# KiCad board tps43-ek_Assemble.kicad_pcb
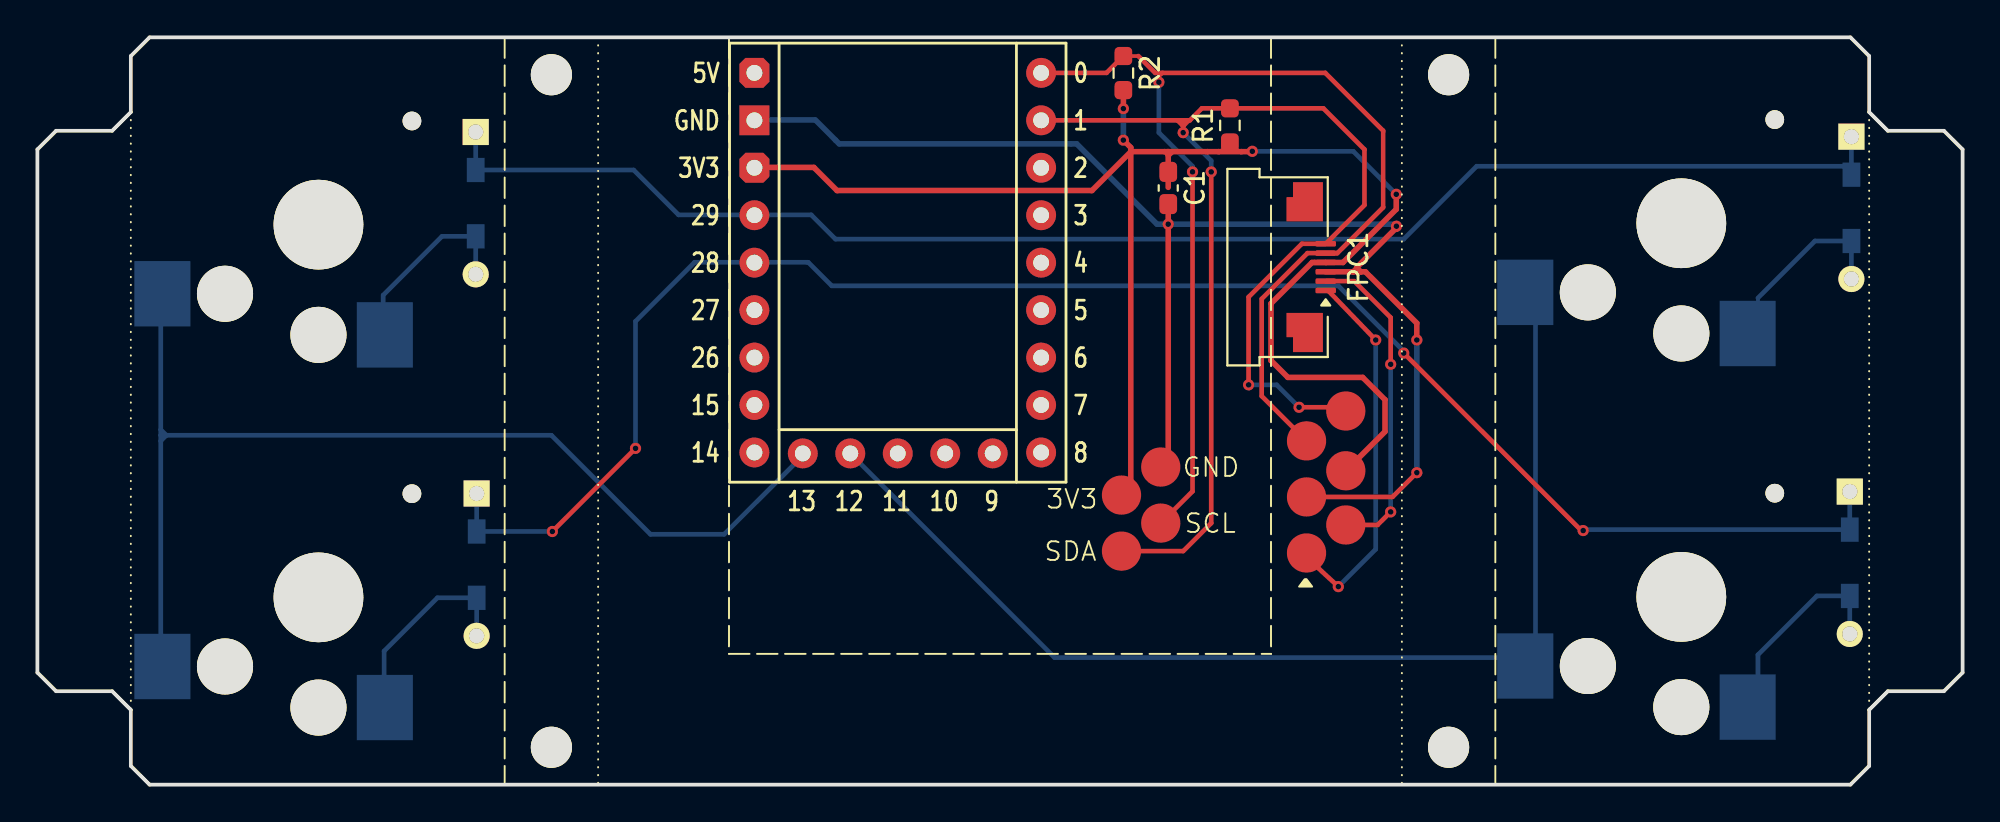
[diagram p0: board, top side]
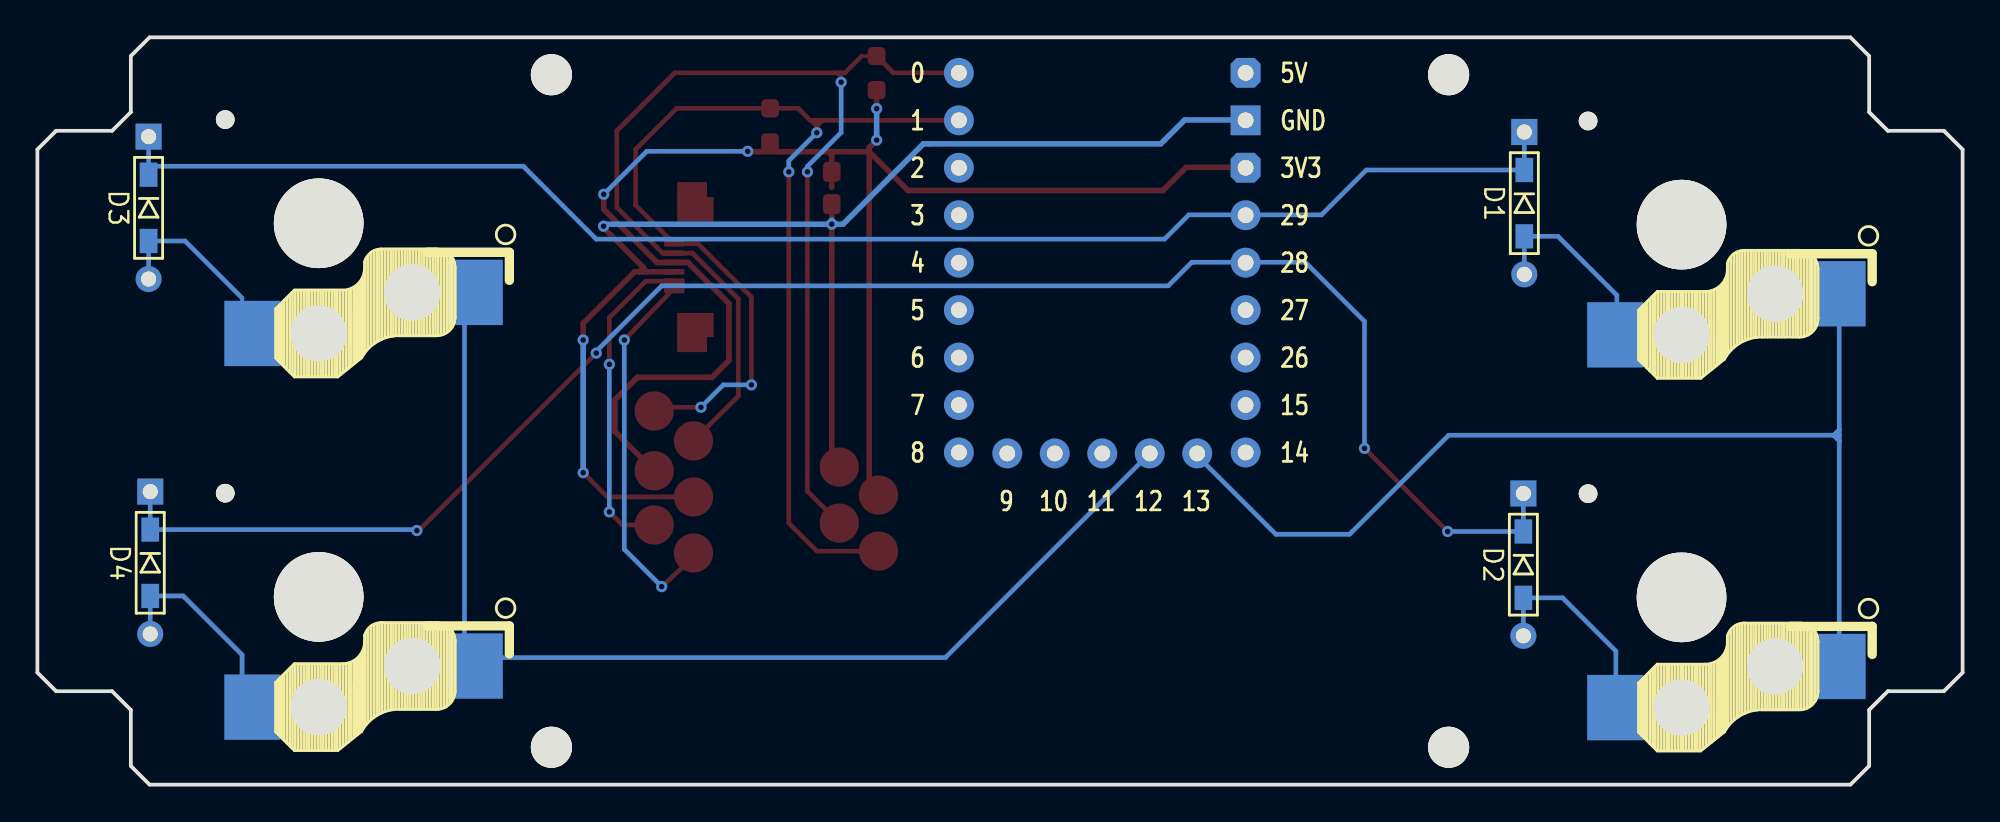
[diagram p1: board, bottom side, seen from below]

Outline 103 x 40 mm; copper layers: Top, Bottom. Coordinates in mm from the lower left corner of the outline.
Outline path: 0,34 0,6 1,5 4,5 5,4 5,1 6,0 97,0 98,1 98,4 99,5 102,5 103,6 103,34 102,35 99,35 98,36 98,39 97,40 6,40 5,39 5,36 4,35 1,35 0,34

## Placement (name value [footprint] x y rotation side)
C1  10u  [C_0603_1608Metric_Pad1.08x0.95mm_HandSolder]  60.5 31.94 270 top
D1  D  [Diode_TH_SMD]  23.45 31.12 270 top
D2  D  [Diode_TH_SMD]  23.5 11.77 270 top
D3  D  [Diode_TH_SMD]  97.05 30.88 270 top
D4  D  [Diode_TH_SMD]  96.96 11.88 270 top
FPC1  ~  [FPC-6p-P0.5mm]  66.03 27.7 270 top
R1  1k  [R_0603_1608Metric_Pad0.98x0.95mm_HandSolder]  63.8 35.29 90 top
R2  1k  [R_0603_1608Metric_Pad0.98x0.95mm_HandSolder]  58.1 38.09 270 top
Ref**  -  [M2_ScrewHole]  27.5 2 0 top
Ref**#2  -  [M2_ScrewHole]  75.5 2 0 top
Ref**#3  -  [M2_ScrewHole]  27.5 38 0 top
Ref**#4  -  [M2_ScrewHole]  75.5 38 0 top
SW1  SW_PUSH  [Choc_v2_Hotswap_1u]  15.04 29.98 0 top
SW2  SW_PUSH  [Choc_v2_Hotswap_1u]  15.04 10.02 0 top
SW3  SW_PUSH  [Choc_v2_Hotswap_1u]  87.95 30.05 0 top
SW4  SW_PUSH  [Choc_v2_Hotswap_1u]  87.95 10.05 0 top
U1  -  [RP2040-Zero]  46.03 27.94 0 top

## Library data of the parts
C1 = -: Description: Unpolarized capacitor; ki_fp_filters: C_*
D1-D4 = -: Description: Diode; Sim.Pins: 1=K 2=A; ki_fp_filters: TO-???* *_Diode_* *SingleDiode* D_*
FPC1 = -: Datasheet: https://item.szlcsc.com/datasheet/FPC-05F-6PH20/3056894.html; Description: Locking Feature:Hinged Lid Contact Type:Surface Mount Number of Contacts:6P Pitch:0.5mm Mounting Type:Bottom Contact FFC, FCB Thickness:0.3mm FFC, FCB Thickness:0.3mm Height Above Board:2mm Contact Material:Phosphor Bronze Contact Plating:Tin Operating Te; Manufacturer Part: FPC-05F-6PH20; Manufacturer: XUNPU(讯普); Supplier Part: C2856796; Supplier: LCSC; LCSC Part Name: 翻盖式 卧贴 P数:6P 间距:0.5mm
R1 R2 = -: Description: Resistor; ki_fp_filters: R_*

## Footprints (pads in the part's own frame, mm; a bottom-side part is the same pattern mirrored in y, then rotated)
C_0603_1608Metric_Pad1.08x0.95mm_HandSolder
  rrect 1.075x0.95 smd: 1(-0.863,0) 2(0.863,0)
Choc_v2_Hotswap_1u
  round 3 hole 3 unplated: (-5,-3.7) (0,-5.9)
  round 4.8 hole 4.8 unplated: (0,0)
  round 1 hole 1 unplated: (5,5.55)
  rect 3x3.5 smd far side: 1(-8.35,-3.7) 2(3.55,-5.9)
Diode_TH_SMD
  rect 1.397x1.397 hole 0.813: 1(-3.81,0)
  rect 1.3x0.95 smd far side: 1(-1.775,0) 2(1.775,0)
  round 1.397 hole 0.813: 2(3.81,0)
FPC-6p-P0.5mm
  rrect 0.3x1.1 smd: 1(1.25,2.9) 2(0.75,2.9) 3(0.25,2.9) 4(-0.25,2.9) 5(-0.75,2.9) 6(-1.25,2.9)
  custom 2.1x1.95 smd: 7(-3.5,1.775) 8(3.5,1.775)
M2_ScrewHole
  round 2.2 hole 2.2 unplated: (0,0)
R_0603_1608Metric_Pad0.98x0.95mm_HandSolder
  rrect 0.975x0.95 smd: 1(-0.912,0) 2(0.912,0)
RP2040-Zero
  round 1.6 hole 0.85: 0(7.67,10.16) 1(7.67,7.62) 2(7.67,5.08) 3(7.67,2.54) 4(7.67,0) 5(7.67,-2.54) 6(7.67,-5.08) 7(7.67,-7.62) 8(7.67,-10.16) 9(5.08,-10.21) 10(2.54,-10.21) 11(0,-10.21) 12(-2.54,-10.21) 13(-5.08,-10.21) 14(-7.67,-10.16) 15(-7.67,-7.62) 26(-7.67,-5.08) 27(-7.67,-2.54) 28(-7.67,0) 29(-7.67,2.54)
  rrect 1.6x1.6 hole 0.85: 30(-7.67,5.08) 32(-7.67,10.16)
  rect 1.6x1.6 hole 0.85: 31(-7.67,7.62)

## Nets
3V3: C1.1 FPC1.4 R1.1 R2.2 U1.30
GND: C1.2 FPC1.3 U1.31
VCC: U1.32
Col0: SW1.1 SW2.1 U1.13
Col1: SW3.1 SW4.1 U1.12
Row0: D1.1 D3.1 U1.29
Row1: D2.1 D4.1 U1.28
SCL: FPC1.5 R2.1 U1.0
SDA: FPC1.6 R1.2 U1.1
Net-(D1-A): D1.2 SW1.2
Net-(D2-A): D2.2 SW2.2
Net-(D3-A): D3.2 SW3.2
Net-(D4-A): D4.2 SW4.2

Pads without a net: FPC1 1 2 7 8; U1 2 3 4 5 6 7 8 9 10 11 14 15 26 27

## Via types
v1: diameter 0.6, hole 0.3, Top to Bottom, 22 vias

## Routing (per net, layer and track width the routed paths; a pad name or vN(x,y) marks a point on that pad's centre or on a via; arc(x,y) is an arc through that point)
3V3: length 87
  Top w0.2: 64.4,33.88 64.3,33.88 R1.1 63.31,33.88 63.2,33.88 ; 64.98,33.88 v1(65,33.9) ; 60.5,33.7 60.52,33.7 60.48,33.7 60.3,33.88 ; 58.5,16 58,15.5
  Top w0.3: v1(58.1,34.5) 58.5,34.1 58.5,33.88 ; v1(72.7,31.6) 72.7,30.8 69.85,27.95 68.2,27.95 66,25.75 66,22.7 66.9,21.8 70.9,21.8 72.1,20.6 72.1,18.9 70,16.8 ; 60.5,31.98 60.5,33.88 ; 64.98,33.88 60.7,33.88 ; 58.5,33.88 58.5,16 ; 58.5,33.88 56.42,31.8 42.78,31.8 41.54,33.04 38.5,33.04 ; 58.5,33.88 60.5,33.88 ; 60.5,33.88 60.7,33.88 ; 60.7,33.88 60.52,33.7 ; v1(58.1,36.19) 58.1,37.17
  Bottom w0.25: v1(65,33.9) 70.4,33.9 v1(72.7,31.6)
  Bottom w0.3: v1(58.1,34.5) 58.1,36.2 v1(58.1,36.19)
GND: length 76
  Top w0.2: 60.5,17.4 60.1,17
  Top w0.25: 67.9,15.4 72.5,15.4 v1(73.8,16.7) ; 72.6,29.7 72.7,29.7 72.71,29.71 v1(72.71,29.89)
  Top w0.3: 70.4,27.45 70.8,27.45 ; 70.4,27.45 68.92,27.45 ; 70.4,27.45 70.6,27.65 ; 72.6,29.7 70.6,27.7 70.6,27.65 ; 70.6,27.65 70.8,27.45 ; 70.8,27.45 71.05,27.45 73.8,24.7 v1(73.8,23.8) ; 60.5,31.34 v1(60.5,30) 60.5,17.4
  Bottom w0.2: 41.58,35.58 41.62,35.58 ; v1(72.71,29.89) 72.6,30
  Bottom w0.3: v1(60.5,30) 60.5,30.2 ; v1(60.5,30) 60.3,30 ; v1(60.5,30) 60.7,30 ; 60.5,30.2 60.3,30 ; 60.5,30.2 60.7,30 ; 72.6,30 60.7,30 ; 41.62,35.58 42.9,34.3 55.6,34.3 59.9,30 60.3,30 ; 41.58,35.58 38.5,35.58 ; v1(73.8,23.8) v1(73.8,16.7)
Col0: length 58.3
  Bottom w0.2: 6.6,6.8 6.65,6.75
  Bottom w0.25: 6.9,18.7 27.5,18.7 32.8,13.4 36.74,13.4 41.09,17.75 ; 6.9,18.7 6.6,18.7 ; 6.9,18.7 6.6,19 ; 6.9,18.7 6.6,18.4 ; 6.6,18.4 6.6,6.8 ; 6.6,18.4 6.6,18.7 ; 6.6,19 6.6,18.7 ; 6.6,19 6.6,25.7
Col1: length 60.2
  Bottom w0.25: 80.15,25.8 80.15,6.8 54.42,6.8 U1.12
Row0: length 81
  Bottom w0.2: 96.6,33.1 D3.1
  Bottom w0.25: D3.1 D3.1 ; 96.6,33.1 77,33.1 73.1,29.2 42.7,29.2 41.4,30.5 34.3,30.5 31.9,32.9 D1.1 D1.1
Row1: length 93.6
  Top w0.2: 82.6,13.6 v1(82.7,13.6)
  Top w0.25: v1(27.55,13.55) v1(32,18) ; v1(73.1,23.1) 82.6,13.6
  Bottom w0.2: 73.2,23.1 v1(73.1,23.1) 73.1,23.2 ; v1(82.7,13.6) 82.75,13.65
  Bottom w0.25: 73.1,23.2 69.6,26.7 42.5,26.7 41.24,27.96 35.16,27.96 32,24.8 v1(32,18) ; D4.1 D4.1 82.75,13.65 ; D2.1 D2.1 v1(27.55,13.55)
SCL: length 67.4
  Top w0.2: 60,38.1 60,37.9 ; 60,37.9 60.2,38.1 ; 60,37.9 v1(60,37.6) ; 58.9,39 R2.1
  Top w0.25: 58.9,39 59.8,38.1 68.9,38.1 72,35 72,30.9 69.55,28.45 67.95,28.45 65.5,26 65.5,20.8 67.9,18.4 ; R2.1 57.2,38.1 U1.0 ; 60.1,14 61.8,15.7 v1(61.8,32.8)
  Bottom w0.25: v1(60,37.6) 60,34.9 61.8,33.1 v1(61.8,32.8)
SDA: length 68.6
  Top w0.2: v1(61.3,34.9) 61.28,34.9 ; 69.8,20.2 70,20
  Top w0.25: U1.1 61,35.56 ; 61,35.56 61.26,35.3 61.3,35.3 ; 61,35.56 61.3,35.56 ; 58,12.5 61.3,12.5 62.8,14 v1(62.8,32.8) ; 61.6,35.56 61.34,35.3 61.3,35.3 ; 61.6,35.56 61.3,35.56 ; 61.6,35.56 61.66,35.56 62.3,36.2 R1.2 68.8,36.2 71,34 71,31.02 68.92,28.95 67.65,28.95 64.8,26.1 v1(64.8,21.4) ; 61.3,35.56 61.3,35.3 ; 61.3,35.3 v1(61.3,34.9) ; v1(67.5,20.2) 69.8,20.2
  Bottom w0.25: v1(67.5,20.2) 66.3,21.4 v1(64.8,21.4) ; v1(61.3,34.9) 62.8,33.4 v1(62.8,32.8)
Net-(D1-A): length 12.1
  Bottom w0.2: 19.63,23.5 18.5,23.5
  Bottom w0.25: 18.5,23.5 18.5,26.2 21.65,29.35 D1.2 D1.2
Net-(D2-A): length 10.8
  Bottom w0.25: D2.2 D2.2 21.4,10 18.55,7.15 18.55,4.55
Net-(D3-A): length 10.7
  Bottom w0.2: 92.05,26.05 92.05,23.6
  Bottom w0.25: D3.2 D3.2 95.1,29.1 92.05,26.05
Net-(D4-A): length 10.6
  Bottom w0.25: D4.2 D4.2 95.2,10.1 92.05,6.95 92.05,4.6
unconnected-(FPC1-Pad1): length 19.4
  Top w0.25: 69.1,26.4 v1(71.6,23.8) ; v1(69.6,10.6) 68.3,11.8
  Bottom w0.25: v1(71.6,23.8) 71.6,12.6 v1(69.6,10.6)
unconnected-(FPC1-Pad2): length 17.5
  Top w0.25: v1(72.4,14.6) 71.7,13.9 70,13.9 ; v1(72.4,22.5) 72.4,25 70.45,26.95 68.92,26.95
  Bottom w0.2: 72.3,14.5 v1(72.4,14.6)
  Bottom w0.25: v1(72.4,22.5) v1(72.4,14.6)

## Text on the board
F.Silkscreen: SDA | 3V3 | GND | SCL
